# Altium PCB AGC_VCA821.PcbDoc
Units mil, origin at the board's own origin, x right, y up, seen from the top; angles counter-clockwise.
Board outline 1889.76 x 1535.43 mil, 2 copper layers (Top Layer, Bottom Layer); 46 components, 25 nets, 126 pads, 15 vias.
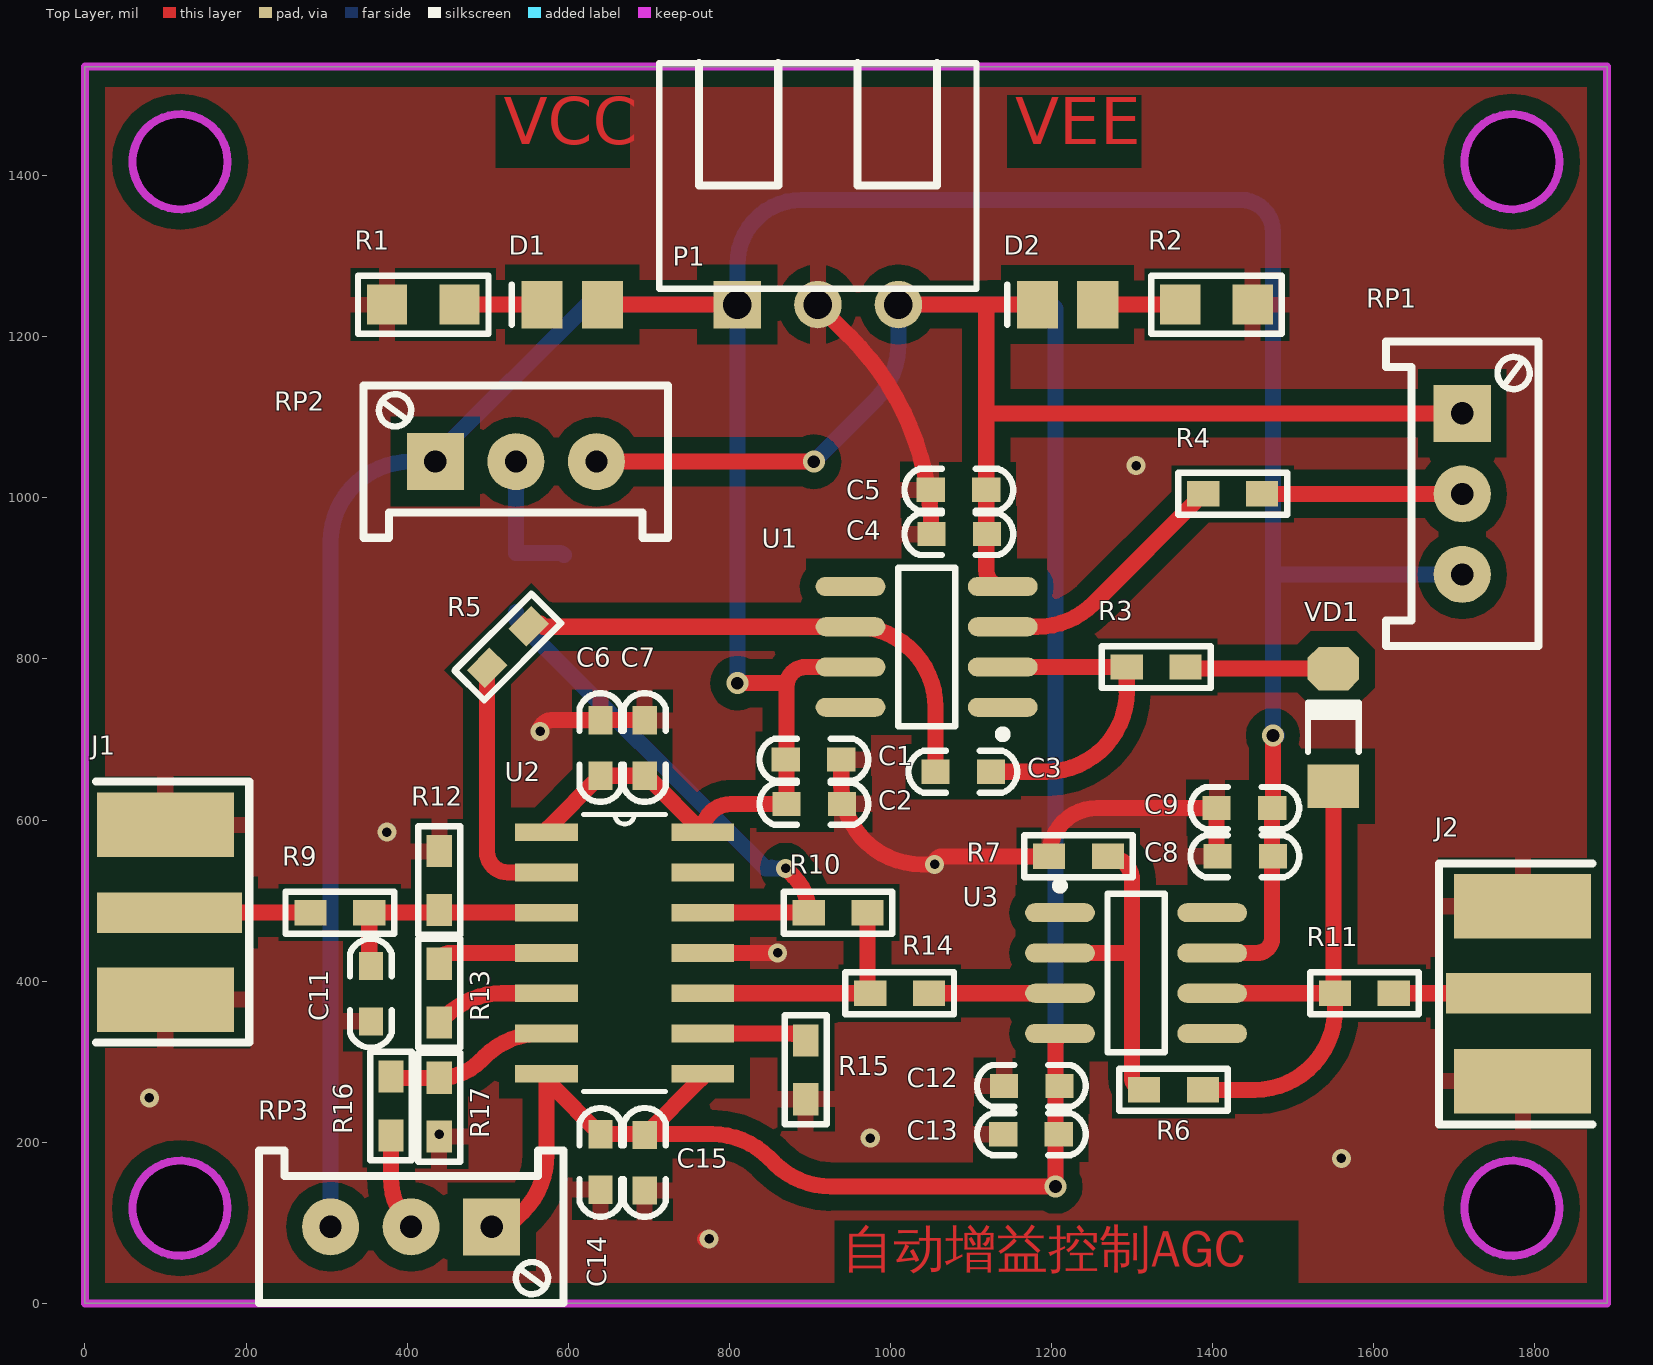
[diagram p0: Top Layer view]
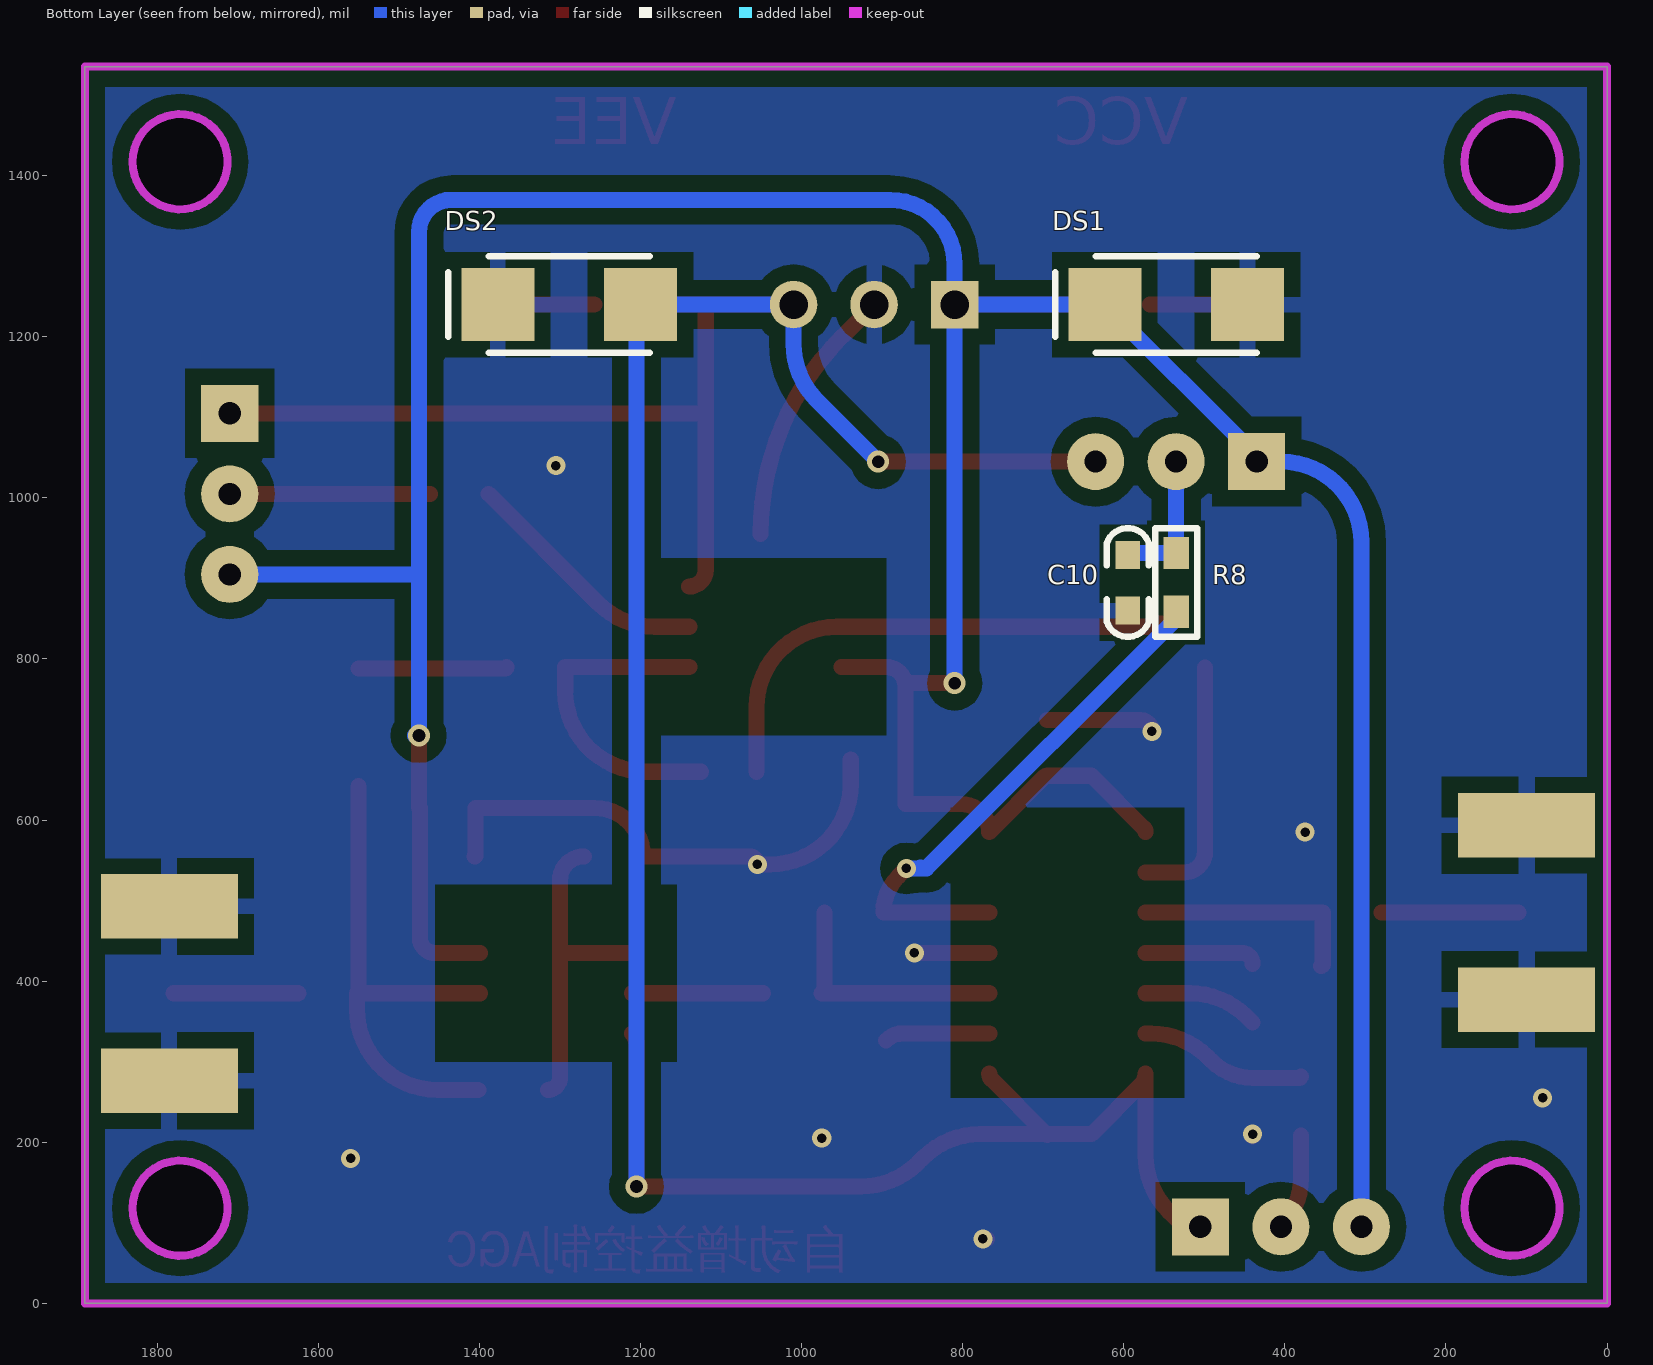
[diagram p1: Bottom Layer view, seen from below]
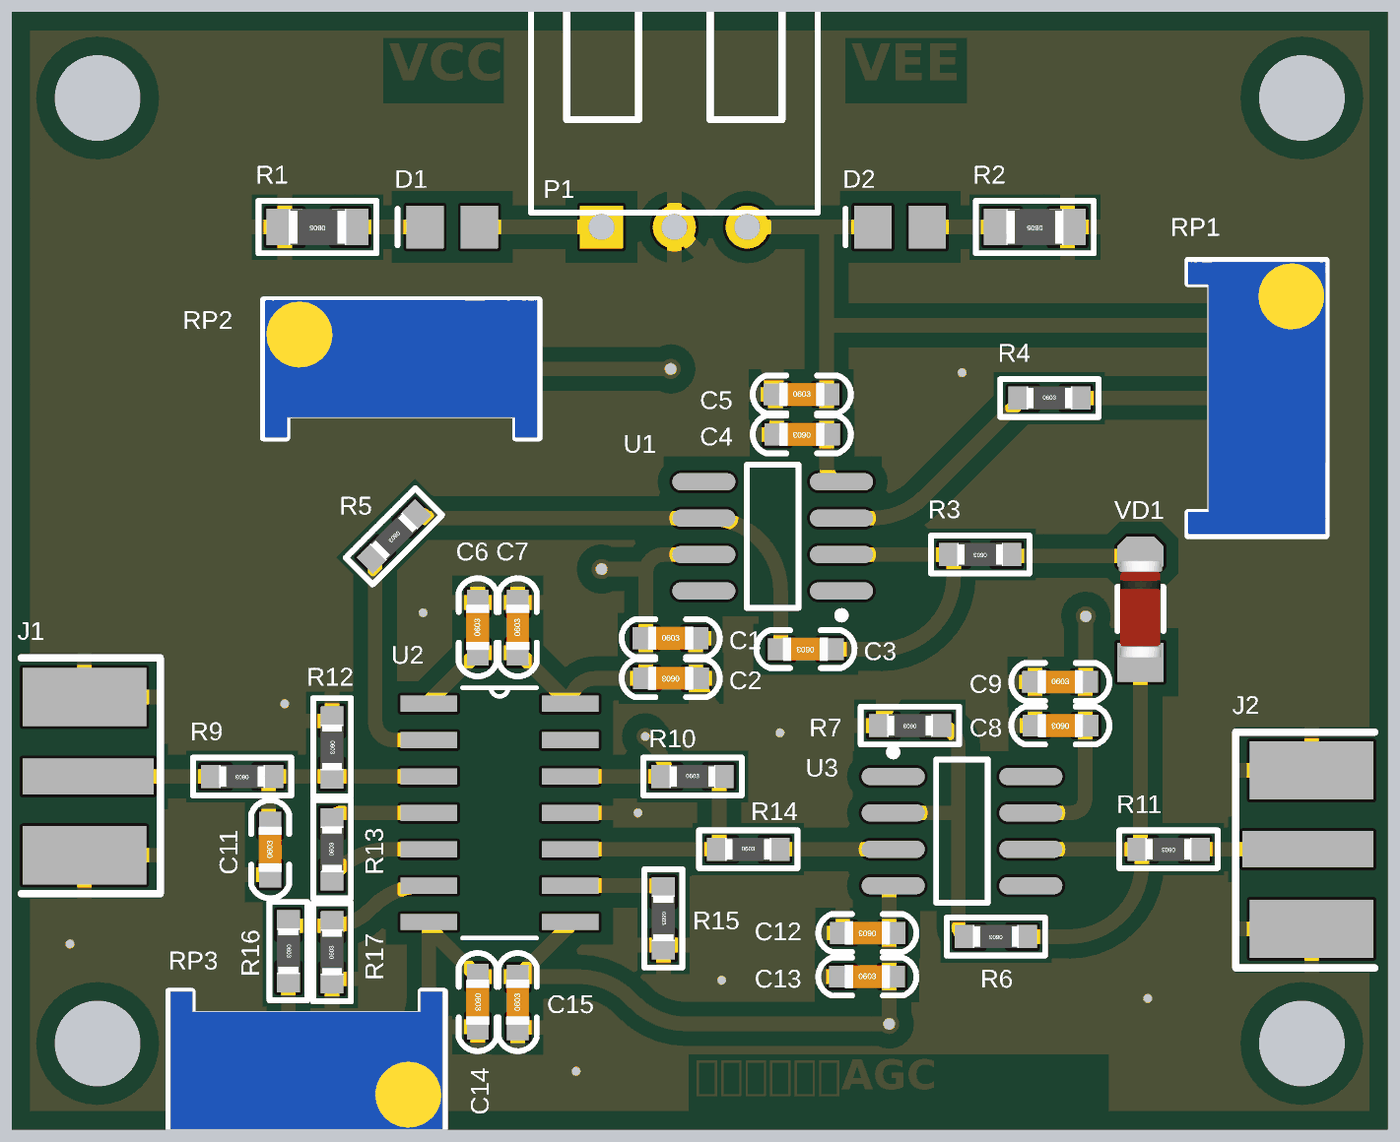
[diagram p2: 3D render of the assembled board from above, using the file's embedded part models]

## Layer stack, top to bottom
Top Solder: solder mask 0.4, Solder Resist, Dk 3.5
Top Layer: signal copper 1.4
Dielectric 1: dielectric 12.6, FR-4, Dk 4.8
Bottom Layer: signal copper 1.4
Bottom Solder: solder mask 0.4, Solder Resist, Dk 3.5

## Board outline
0,0 0,1535.43 1889.76,1535.43 1889.76,0
cut-out: 1712.6,118.11 ccw(c1771.65,118.11) 1771.65,59.06 ccw(c1771.65,118.11) 1830.71,118.11 ccw(c1771.65,118.11) 1771.65,177.17 ccw(c1771.65,118.11)
cut-out: 118.11,59.06 cw(c118.11,118.11) 59.06,118.11 cw(c118.11,118.11) 118.11,177.17 cw(c118.11,118.11) 177.17,118.11 cw(c118.11,118.11)
cut-out: 1712.6,1417.32 ccw(c1771.65,1417.32) 1771.65,1358.27 ccw(c1771.65,1417.32) 1830.71,1417.32 ccw(c1771.65,1417.32) 1771.65,1476.38 ccw(c1771.65,1417.32)
cut-out: 118.11,1358.27 cw(c118.11,1417.32) 59.06,1417.32 cw(c118.11,1417.32) 118.11,1476.38 cw(c118.11,1417.32) 177.17,1417.32 cw(c118.11,1417.32)

## Design rules (kind name [scope] priority, off if disabled: settings)
Clearance [All] p1: gap=10 ignorepadtopadclearanceinfootprint=FALSE except(0: Arc-Hole Track-Hole SMDPad-Hole THPad-Hole Via-Hole Fill-Hole Poly-Hole Region-Hole Text-Hole; 20: Arc-Poly Track-Poly SMDPad-Poly THPad-Poly Via-Poly Fill-Poly Poly-Poly)
MinimumSolderMaskSliver [All] p1: minsoldermaskwidth=0
PolygonConnect [All] p1: thpad.connectstyle=Relief thpad.reliefconductorwidth=20 thpad.reliefentries=4 thpad.polygonreliefangle="90 Angle" thpad.airgapwidth=20 smdpad.connectstyle=Relief smdpad.reliefconductorwidth=20 smdpad.reliefentries=4 smdpad.polygonreliefangle="90 Angle" smdpad.airgapwidth=20 via.connectstyle=Direct via.reliefconductorwidth=10 via.reliefentries=4 via.polygonreliefangle="90 Angle" via.airgapwidth=10
RoutingVias [All] p1: holewidth=11.81 width=23.62 viastyle="Through Hole" minholewidth=11.81 minwidth=23.62 maxholewidth=28 maxwidth=70
SilkToSilkClearance [All] p1: silktosilkclearance=0
SilkToSolderMaskClearance [IsPad] p1: minsilkscreentomaskgap=0 clearancetoexposedcopper=TRUE
SolderMaskExpansion [All] p1: expansion=4
Width [All] p1: maxlimit=100 minlimit=1 preferedwidth=10
27 further rules are at their usual default settings.

## Components (designator, comment, footprint, x,y, rotation, side; value= is the part's Value field where it differs from the comment)
C1 "104" "C 0603" 905,675 r0 top
C2 "1uF" "C 0603" 905,620 r180 top
C3 "104" "C 0603" 1090,660 r180 top
C4 "104" "C 0603" 1085,955 r180 top
C5 "1uF" "C 0603" 1085,1010 r0 top
C6 "104" "C 0603" 640,690 r90 top
C7 "2.2uF" "C 0603" 695,690 r90 top
C8 "104" "C 0603" 1440,555 r180 top
C9 "1uF" "C 0603" 1440,615 r0 top
C10 "104" "C 0603" 595,895 r90 bottom
C11 "1pF" "C 0603" 355,385 r90 top
C12 "104" "C 0603" 1175,270 r180 top
C13 "1uF" "C 0603" 1175,210 r0 top
C14 "104" "C 0603" 640,175 r270 top
C15 "2.2uF" "C 0603" 695,175 r90 top
D1 "LED" LED_0805 605,1240 r180 top
D2 "LED" LED_0805 1220,1240 r180 top
DS1 "D Schottky" DIODE-SMA 535,1240 r0 bottom
DS2 "D Schottky" DIODE-SMA 1288.58,1240 r0 bottom
J1 "COAX" MCX5.08-5-H 105,485 r0 top
J2 "COAX" MCX5.08-5-H 1780,385 r180 top
P1 "Header 3" HDR3X1_B2 910,1240 r0 top
R1 "1K" "R 0805" 420,1240 r180 top
R2 "1K" "R 0805" 1405,1240 r180 top
R3 "1K" "R 0603" 1330,790 r180 top
R4 "0" "R 0603" 1425,1005 r0 top
R5 "100" "R 0603" 525,815 r225 top
R6 "950" "R 0603" 1351.5,265 r180 top
R7 "50" "R 0603" 1233.5,555 r180 top
R8 "4K" "R 0603" 535,895 r90 bottom
R9 "800" "R 0603" 316.5,485 r180 top
R10 "1K" "R 0603" 935,485 r0 top
R11 "50" "R 0603" 1588.5,385 r180 top
R12 "50" "R 0603" 440,525 r270 top
R13 "200" "R 0603" 440,385 r90 top
R14 "50" "R 0603" 1011.5,385 r0 top
R15 "20" "R 0603" 895,290 r270 top
R16 "1K" "R 0603" 380,245 r270 top
R17 "50" "R 0603" 440,243.5 r90 top
RP1 "10K" 3296W 1710,1005 r270 top
RP2 "10K" 3296W 535,1045 r0 top
RP3 "10K" 3296W 405,95 r180 top
U1 "OPA820" SOIC8_N 1045,815 r180 top
U2 "VCA821" SOIC14_N 670,435 r0 top value=Value
U3 "OPA695" SOIC8_N 1305,410 r0 top
VD1 "1N4150" "MINI_MELF (LL34)" 1550,715 r90 top

## Footprints (in the part's own frame and the unit in brackets; to place one, negate y for a bottom-side part, rotate by r counter-clockwise, add the part's x,y. Pads: shape width x height; smd on the part's side, far side on the other; paste and mask are expansions set on the pad)
3296W [mm] "Precise Multi-Winding Adjustable Resistor"
  rect 1.8x1.8 hole 0.7: 1(-2.54,0)
  round 1.8 hole 0.7: 2(0,0) 3(2.54,0)
  silkscreen extent -4.8,-2.4 4.8,2.4, body extent -4.75,-2.4 4.75,2.4, height 11.52
"C 0603" [mil] "无极性贴片电容"
  rect 35x30 smd: 1(-35,0) 2(34,0)
  silkscreen extent -67,-26 67,26, body extent -31,-16 31,16, height 32
DIODE-SMA [mm] "贴片二极管"
  rect 2.3x2.3 smd: 1(-2.25,0) 2(2.25,0)
  silkscreen extent -2.54,-1.52 3.81,1.52, body extent -2.92,-1.4 2.92,1.4, height 3
HDR3X1_B2 [mm] "Connector; Header; 3 Position"
  rect 1.5x1.5 hole 0.9: 1(-2.54,0)
  round 1.5 hole 0.9: 2(0,0) 3(2.54,0)
  silkscreen extent -5,0.5 5,7.62, body extent -5,0.5 5,7.62, height 6
LED_0805 [mm] "贴片二极管"
  rect 1.3x1.5 smd: 1(-0.95,0) 2(0.95,0)
  silkscreen extent 1.91,-0.63 1.91,0.64
MCX5.08-5-H [mil]
  rect 180x50 smd: 1(0,0)
  rect 170x80 smd: 2(-5,109.25) 5(-5,-108.27)
  rect 170x80 smd far side: 3(-5,108.66) 4(-5,-107.87)
  silkscreen extent -92,-161 99,163, body extent -93,-132 80,134, height 39
"MINI_MELF (LL34)" [mm] "1.5*3.4mm(直径，脚距）"
  rect 1.37x1.62 smd: 1(-1.855,0)
  oct 1.37x1.62 smd: 2(1.855,0)
  silkscreen extent -0.76,-0.8 0.78,0.8, body extent -1.7,-0.75 1.7,0.75, height 1.5
"R 0603" [mil] "1/10W贴片电阻"
  rect 40x31.5 smd: 1(-36.5,0) 2(36.5,0)
  silkscreen extent -68,-26 68,26, body extent -31,-16 32,16, height 16
"R 0805" [mil] "1/8W贴片电阻"
  rect 50x50 smd: 1(-45,0) 2(45,0)
  silkscreen extent -81,-36 81,36, body extent -39,-25 39,25, height 20
SOIC8_N [mm] "8-Pin Small Outline Integrated Circuit Package (SOIC8), IPC Medium Density"
  oval 2.2x0.6 smd: 1(-2.4,1.905) 2(-2.4,0.635) 3(-2.4,-0.635) 4(-2.4,-1.905) 5(2.4,-1.905) 6(2.4,-0.635) 7(2.4,0.635) 8(2.4,1.905)
  silkscreen extent -2.53,-2.5 0.9,2.88, body extent -1.95,-2.45 1.95,2.45, height 1.75
SOIC14_N [mil]
  rect 78x22 smd: 1(-97,150) 2(-97,100) 3(-97,50) 4(-97,0) 5(-97,-50) 6(-97,-100) 7(-97,-150) 8(97,-150) 9(97,-100) 10(97,-50) 11(97,0) 12(97,50) 13(97,100) 14(97,150)
  silkscreen extent -51,-172 51,172, body extent -95,-175 100,175, height 69

## Part data
C1 C2 C3 C4 C5 C6 C7 C8 C9 C10 C11 C12 C13 C14 C15: library part C, "无极性贴片电容"
  C10: BOM名称=无极性贴片电容, 学习资源=www.ooocke.com, 版权归属=源创客
D1 D2: "发光二极管", LatestRevisionDate=08-Jul-2005, LatestRevisionNote="Mech Layer 1 removed.", PackageReference=LED, Published=8-Jun-2000, Publisher="Altium Limited"
DS1 DS2: "Schottky Diode", Code_JEDEC=DO-214-AA, LatestRevisionDate=17-Jul-2002, LatestRevisionNote="Re-released for DXP Platform.", PackageDescription="DO-214-AA/SMB; 2 C-Bend Leads; Body 5.3 x 3.6 mm, inc. leads (LxW)", PackageReference=SMB, Published=8-Jun-2000, Publisher="Altium Limited"
P1: "接插件", LatestRevisionDate=17-Jul-2002, LatestRevisionNote="Re-released for DXP Platform.", Publisher="Altium Limited"
R1 R2 R3 R4 R5 R6 R7 R8 R9 R10 R11 R12 R13 R14 R15 R16 R17: library part R, "贴片电阻"
RP1 RP2 RP3: library part RP-ID, "插件单联电位器"
U1: "单位增益稳定低噪声电压反馈运算放大器"
U2: "可变增益放大器 Ultra-Wideband, > 40-dB Gain Adjust Range, Linear in dB", Manufacturer="Texas Instruments", Manufacturer_Part_Number=vca821_d_14, PACKAGE_DESIGNATOR=D, Datasheet URL=http://www.ti.com/lit/gpn/VCA821, FAMILY_NAME="VARIABLE GAIN AMPLIFIER", GENERIC_PART_NUMBER=VCA821, INDUSTRY_STD_PKG_TYPE=SOIC, PIN_COUNT=14, RefDes=RefDes, Type=DEV, Vendor="Texas Instruments"
U3: "OPA695 Ultra-Wideband, Current-Feedback Operational Amplifier With Disable"
VD1: library part 1N4148, "高速开关二极管"

## Via types
v1: diameter 23.62, hole 11.81, Top Layer to Bottom Layer, tented both sides, 11 vias
v2: diameter 27.56, hole 15.75, Top Layer to Bottom Layer, tented both sides, 4 vias

## Nets (pads, with @x,y where several pads share a name; then routed paths per layer and width w, separated by ;. In a path a pad name is that pad's centre, name@x,y a point inside that pad or via, vN(x,y) a via of type N, cw(c..) or ccw(c..) an arc to the next point about the centre after c; other vN are vias at no path point)
GND: C1.2 C2.1 C4.2 C5.1 C6.2 C7.2 C8.2 C9.1 C10.1 C11.1 C12.2 C13.1 C14.2 C15.1 DS1.1 DS2.2 J1.2 J1.3 J1.4 J1.5 J2.2 J2.3 J2.4 J2.5 P1.2 R1.2 R2.1 R7.2 R12.1 R15.2 R17.1 U2.11 | length 1221
  Top Layer w20: R17.1 v1(440,210) ; v1(565,710) cw(c579,710) 579,724 C6.2 C7.2 ; U2.11 v1(860,435) ; v1@770,80 v1(775,80) ; P1.2 949.18,1200.82 cw(c703.35,955) C4.2 ; C1.2 939,645 ccw(c1039,645) 1039,545 v1(1055,545) cw(c1065,545) 1065,555 R7.2 cw(c1257,555) 1257,615 C9.1 1405,556 ccw(c1406,556) C8.2
  other v1: 1560,180 975,205 80,255 375,585 1305,1040
NetC3_1: C3.1 R3.2 U1.2 | length 409.6
  Top Layer w20: C3.1 1193.5,660 ccw(c1193.5,760) 1293.5,760 R3.2 U1.2
NetC3_2: C3.2 R5.1 U1.6 | length 645.1
  Top Layer w20: R5.1 553.82,843.82 565.48,843.82 569.3,840 U1.6 956,840 cw(c956,740) 1056,740 C3.2
NetC10_2: C10.2 R8.2 RP2.2 | length 174.2
  Bottom Layer w20: RP2.2 R8.2 588.96,931.5 cw(c588.96,922.96) C10.2
NetC11_2: C11.2 R9.1 R12.2 U2.3 | length 287.1
  Top Layer w20: C11.2 cw(c355,421) 353,421 R9.1 U2.3
NetD1_2: D1.2 R1.1 | length 102.6
  Top Layer w20: R1.1 D1.2
NetD2_1: D2.1 R2.2 | length 102.6
  Top Layer w20: D2.1 R2.2
NetJ1_1: J1.1 R9.2 | length 170
  Top Layer w20: J1.1@110,485 R9.2
NetJ2_1: J2.1 R11.1 | length 155
  Top Layer w20: R11.1 J2.1
NetR3_1: R3.1 VD1.2 | length 184.6
  Top Layer w20: R3.1 ccw(c1368.47,790) 1368.47,788.03 VD1.2
NetR4_1: R4.1 U1.3 | length 313.1
  Top Layer w20: U1.3 1182.08,840 ccw(c1182.08,940) 1252.79,869.29 R4.1
NetR4_2: R4.2 RP1.2 | length 248.5
  Top Layer w20: R4.2 RP1.2
NetR5_2: R5.2 U2.2 | length 316.9
  Top Layer w20: R5.2 499.19,560.81 ccw(c525,560.81) 525,535 U2.2
NetR6_1: R6.1 R11.2 U3.6 VD1.1 | length 638.2
  Top Layer w20: U3.6 R11.2 ; R6.1@1401.5,265 1452,265 ccw(c1452,365) 1552,365 R11.2 ; VD1.1 1550,387 ccw(c1552,387) R11.2
NetR6_2: R6.2 R7.1 U3.2 | length 405.2
  Top Layer w20: U3.2 1300,435 ; R7.1 cw(c1270,525) 1300,525 1300,435 ; R6.2 cw(c1315,280) 1300,280 1300,435
NetR8_1: R8.1 R10.1 U2.12 | length 670.3
  Top Layer w20: U2.12 R10.1 ccw(c834.52,485) 879.76,530.24 v1(870,540)
  Bottom Layer w20: R8.1 535,850 845,540 855,540 ; 852.44,541.06 ccw(c855,543.62) 855,540 ; v1(870,540) 855,540
NetR10_2: R10.2 R14.1 U2.10 | length 308.9
  Top Layer w20: U2.10 R14.1 cw(c983.45,393.45) 971.5,393.45 R10.2
NetR13_1: R13.1 U2.5 | length 143.8
  Top Layer w20: R13.1 447.21,355.71 cw(c517.92,285) 517.92,385 U2.5
NetR13_2: R13.2 U2.4 | length 140.7
  Top Layer w20: R13.2 cw(c453.5,421.5) 453.5,435 U2.4
NetR14_2: R14.2 U3.3 | length 162.5
  Top Layer w20: R14.2 U3.3
NetR15_1: R15.1 U2.9 | length 130.3
  Top Layer w20: U2.9 874.48,335 cw(c874.48,305.98) R15.1
NetR16_1: R16.1 R17.2 U2.6 | length 209
  Top Layer w20: R16.1 381.5,280 R17.2 ccw(c440,352.43) 491.21,301.21 495.71,305.71 cw(c566.42,235) 566.42,335 U2.6
NetR16_2: R16.2 RP3.2 | length 120.2
  Top Layer w20: R16.2 380,155.36 ccw(c465.36,155.36) RP3.2
VCC: C1.1 C2.2 C6.1 C7.1 C8.1 C9.2 D1.1 DS1.2 P1.1 RP1.3 RP2.1 RP3.3 U1.7 U2.1 U2.14 U3.7 | length 4821.5
  Top Layer w20: U2.1 cw(c580.24,585) 575.12,590.12 C6.1 C7.1 cw(c695,650.17) 698.41,653.59 U2.14 cw(c802,585) 802,620 C2.2 871,766 ; D1.1 P1.1 ; v2(810,770) 867,770 cw(c867,766) 871,766 ; U1.7 895,790 ccw(c895,766) 871,766 ; U3.7 1455,435 ccw(c1455,454) 1474,454 C9.2 ccw(c1474,616) 1475,616 v2(1475,705)
  Bottom Layer w20: RP3.3@305,75 305,945 cw(c405,945) 405,1045 RP2.1 cw(c450.49,1045) 439.54,1055.96 DS1.2 P1.1 ; v2(810,770) P1.1 ; v2(1475,705) 1480,705 cw(c1480,710) 1475,710 1475,905 ; RP1.3 1475,905 ; P1.1 810,1290 cw(c890,1290) 890,1370 1435,1370 cw(c1435,1330) 1475,1330 1475,905
VEE: C4.1 C5.2 C12.1 C13.2 C14.1 C15.2 D2.2 DS2.1 P1.3 RP1.1 RP2.3 RP3.1 U1.4 U2.7 U2.8 U3.4 | length 4159.9
  Top Layer w20: RP3.1@505,75 543.71,113.71 ccw(c473,184.42) 573,184.42 573,271.34 U2.7 ccw(c592.31,285) 578.66,271.34 C14.1 C15.2@696,210 ; RP2.3 v2(905,1045) ; C15.2 C15.2@696,210 ; U2.8 cw(c757.34,285) 764.17,278.17 C15.2@696,210 ; P1.3 1120,1240 ; U1.4 cw(c1139.49,910.49) 1119,910.49 C5.2 1119,1105 ; D2.2 1120,1240 ; U3.4 ccw(c1223.82,321.69) 1205,321.69 1205,270 1205,210 v2(1205,145) 926.42,145 cw(c926.42,245) 855.71,174.29 849.29,180.71 ccw(c778.58,110) 778.58,210 C15.2@696,210 ; RP1.1@1685.86,1115 cw(c1685.86,1080.86) RP1.1 1119,1105 ; 1119,1105 1119,1239 cw(c1120,1239) 1120,1240
  Bottom Layer w20: v2(905,1045) 980.71,1120.71 ccw(c910,1191.42) 1010,1191.42 P1.3 DS2.1 1205,1235 v2(1205,145)
pads on no net: U1.1 U1.5 U1.8 U2.13 U3.1 U3.5 U3.8

## Polygon pours and split planes (outlines as drawn)
GND on Bottom Layer "Top Layer-No Net1" (solid, remove dead copper, pour order 1): 0,0 0,1535.43 1889.76,1535.43 1889.76,0
GND on Top Layer "Top Layer-No Net" (solid, remove dead copper, pour order 0): 0,0 0,1535.43 1889.76,1535.43 1889.76,0

## Keep-outs
Keep-Out Layer:
  circle w10: c118.11,118.11 r59.06
  circle w10: c1771.65,118.11 r59.06
  circle w10: c1771.65,1417.32 r59.06
  circle w10: c118.11,1417.32 r59.06
  lines w10: 0,0 0,1535.43 1889.76,1535.43 1889.76,0 0,0

## Other copper
Top Layer:
  pour cut-out: 895,925 1195,925 1195,705 895,705
  pour cut-out: 525,615 815,615 815,255 525,255
  pour cut-out: 1155,520 1455,520 1455,300 1155,300
  text "VCC" at 520,1420 h100
  text "VEE" at 1155,1420 h100
  text "自动增益控制AGC" at 940,30 h80
Bottom Layer:
  pour cut-out: 895,925 1195,925 1195,705 895,705
  pour cut-out: 525,615 815,615 815,255 525,255
  pour cut-out: 1155,520 1455,520 1455,300 1155,300